# Altium PCB PCB_Final.PcbDoc (part 1 of 2)
Units mm, origin at the board's own origin, x right, y up, seen from the top; angles counter-clockwise.
Board outline 96.14 x 59.1 mm, 4 copper layers (Signal H, Power, GND, Signal L), stack 1.571 mm thick; 86 components, 49 nets, 289 pads, 467 vias.
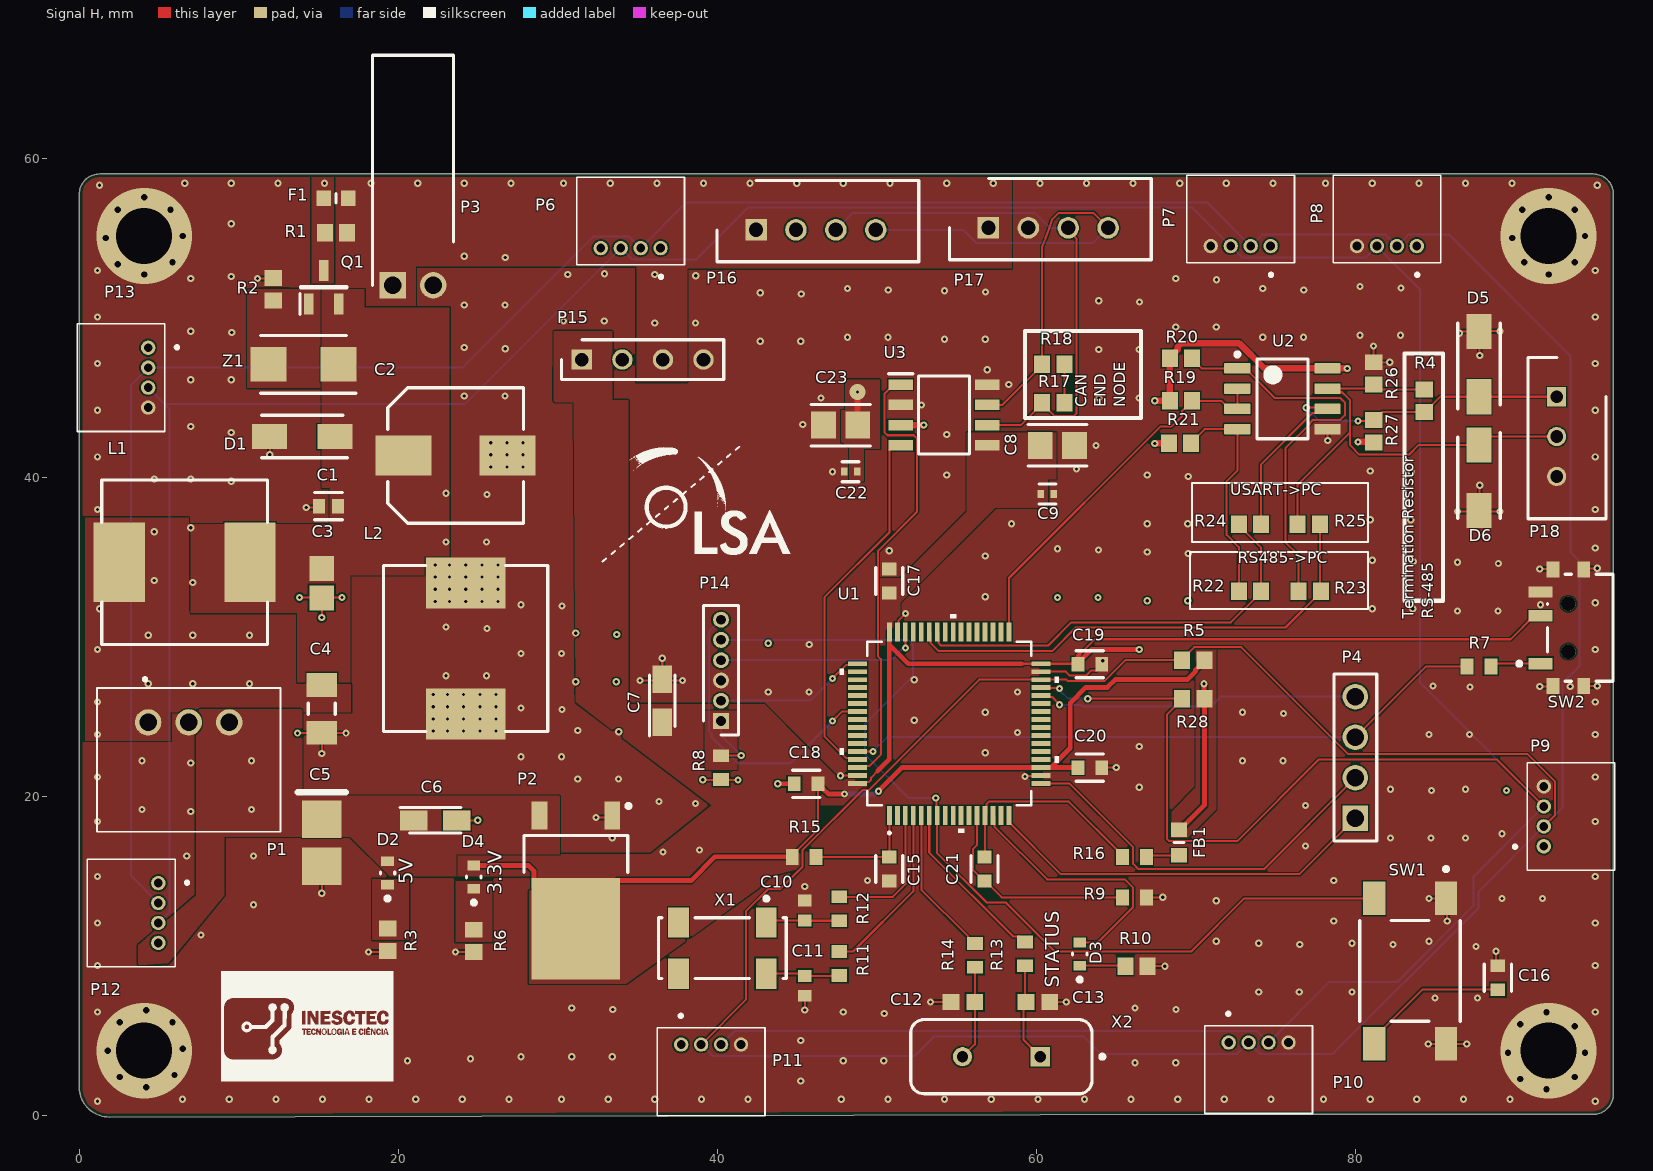
[diagram p0: Signal H view]
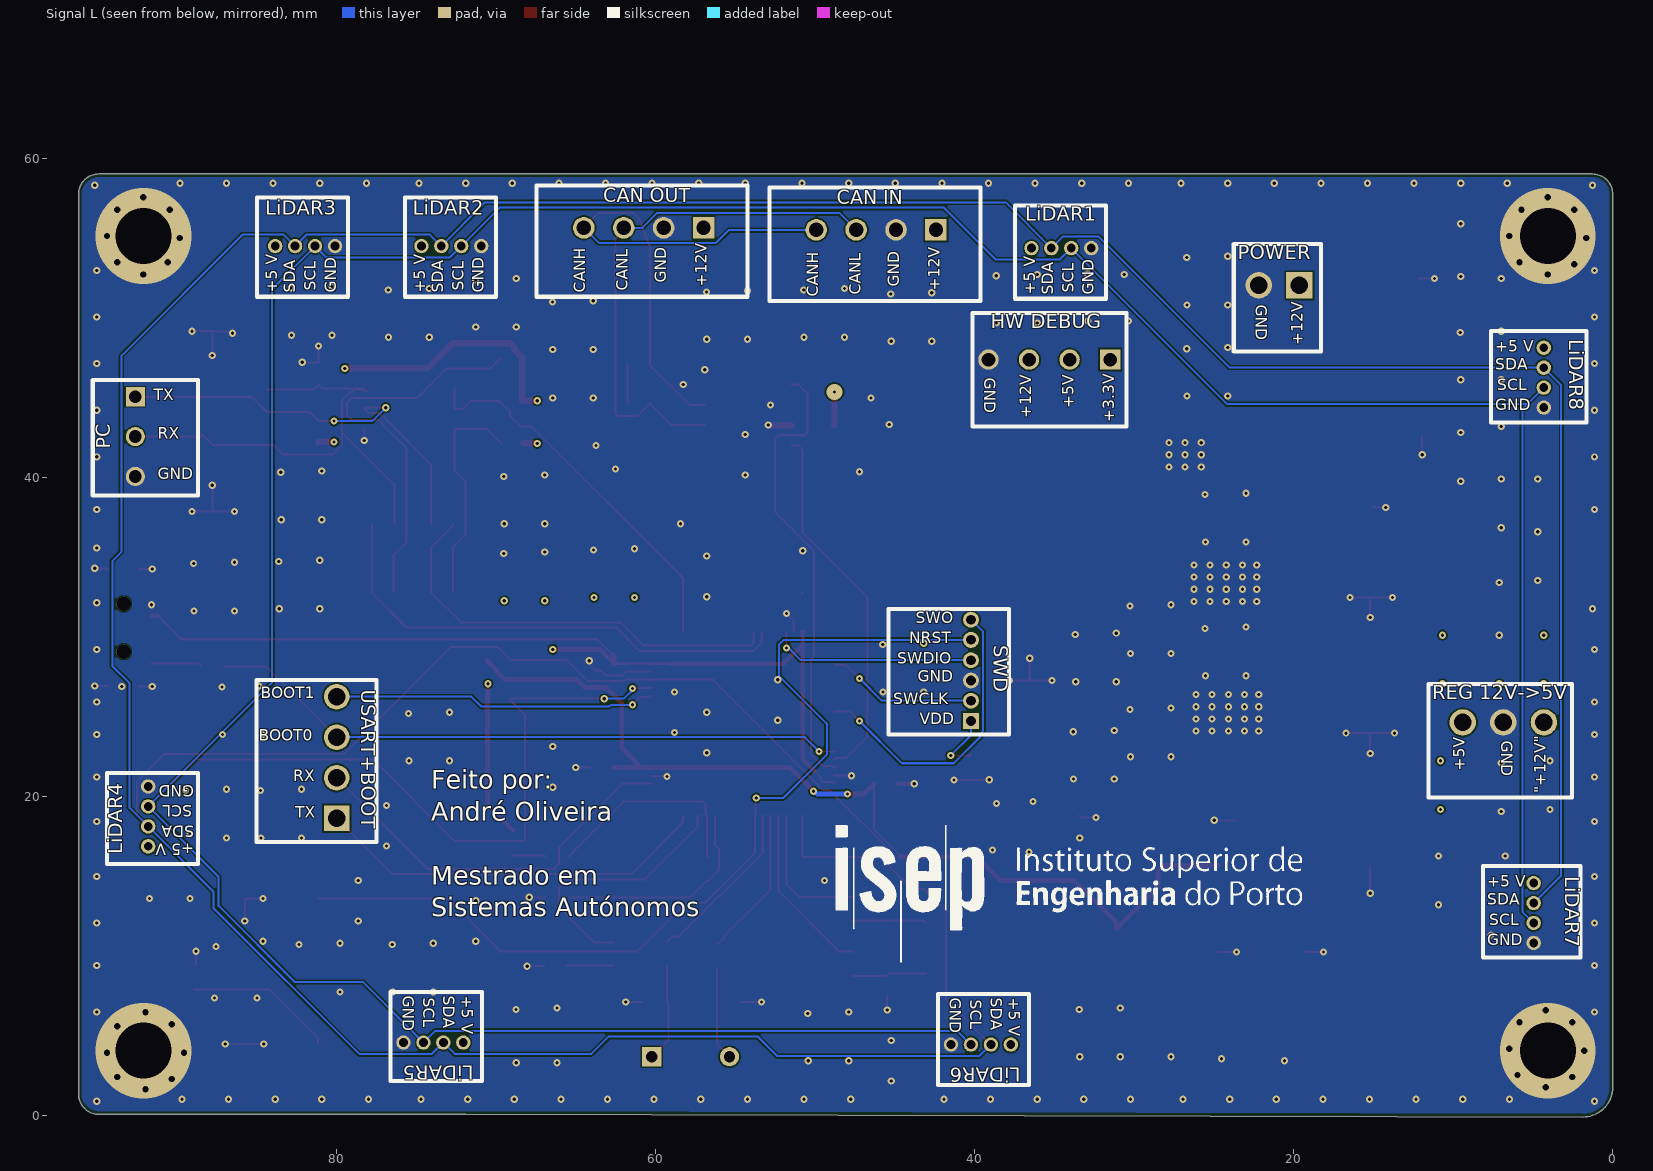
[diagram p1: Signal L view, seen from below]
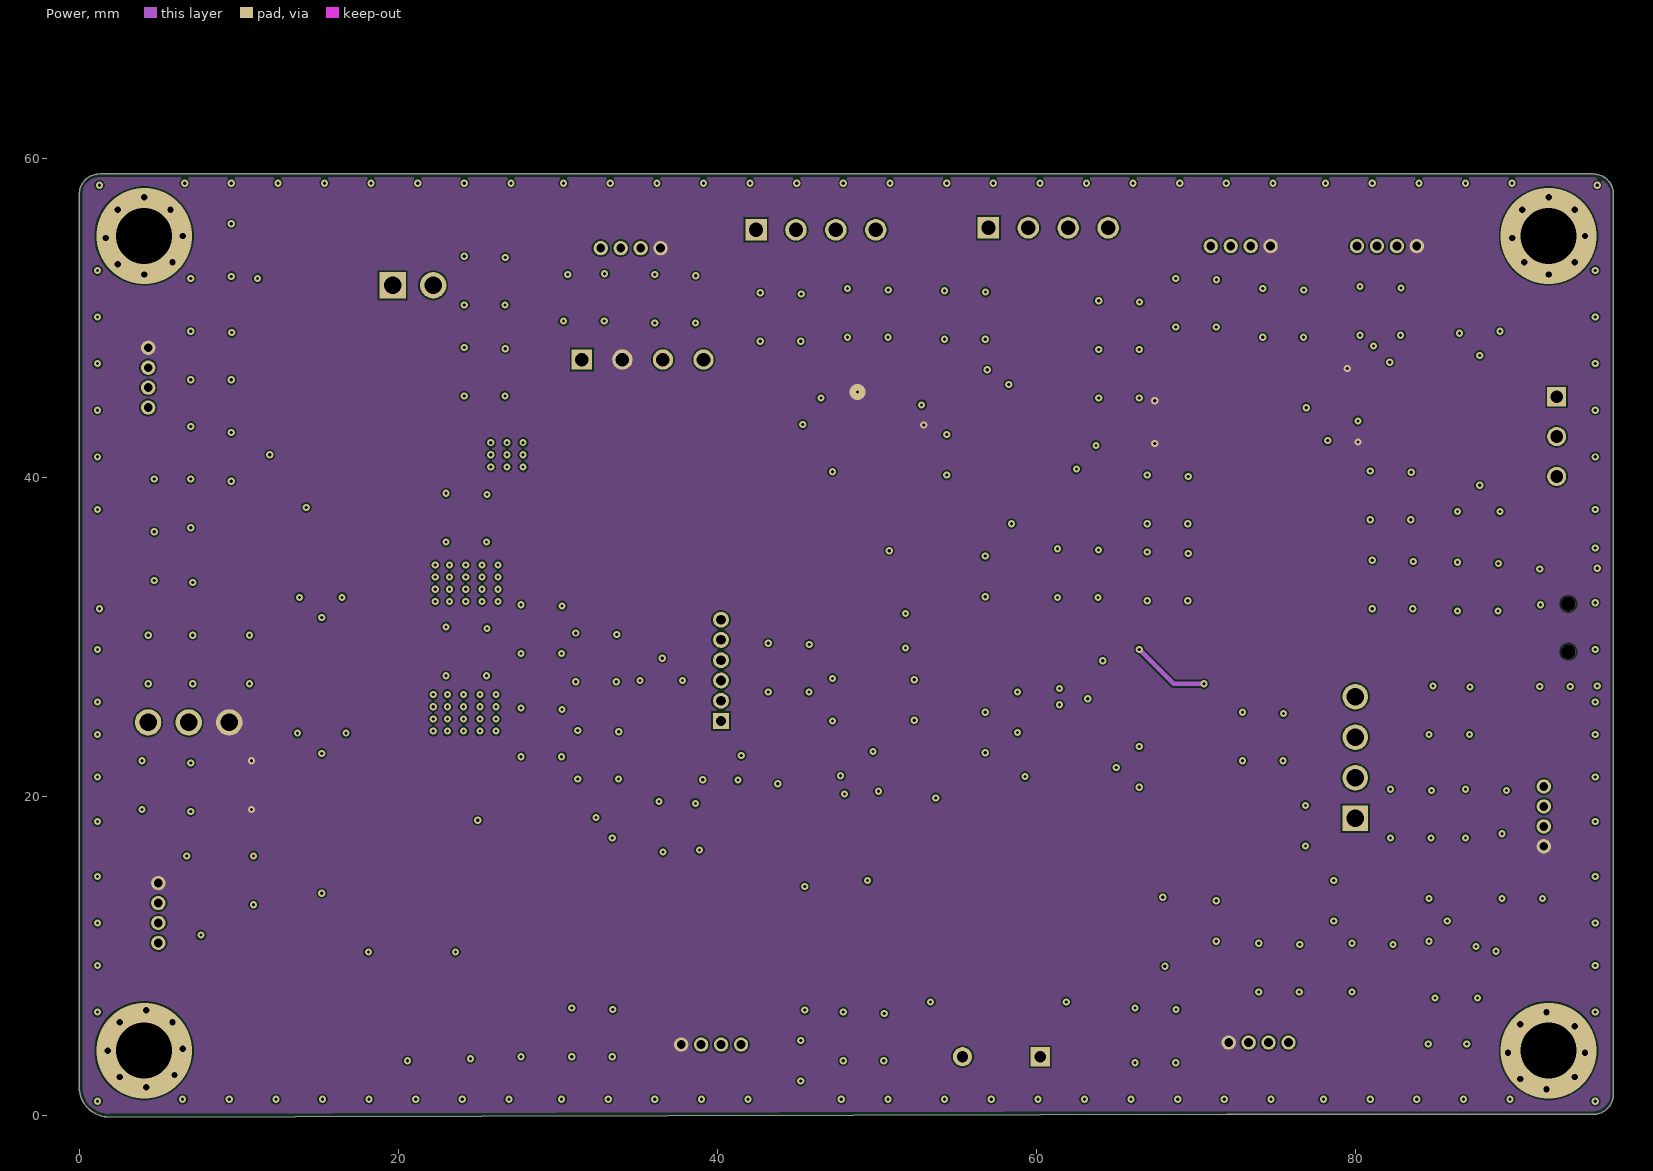
[diagram p2: Power]
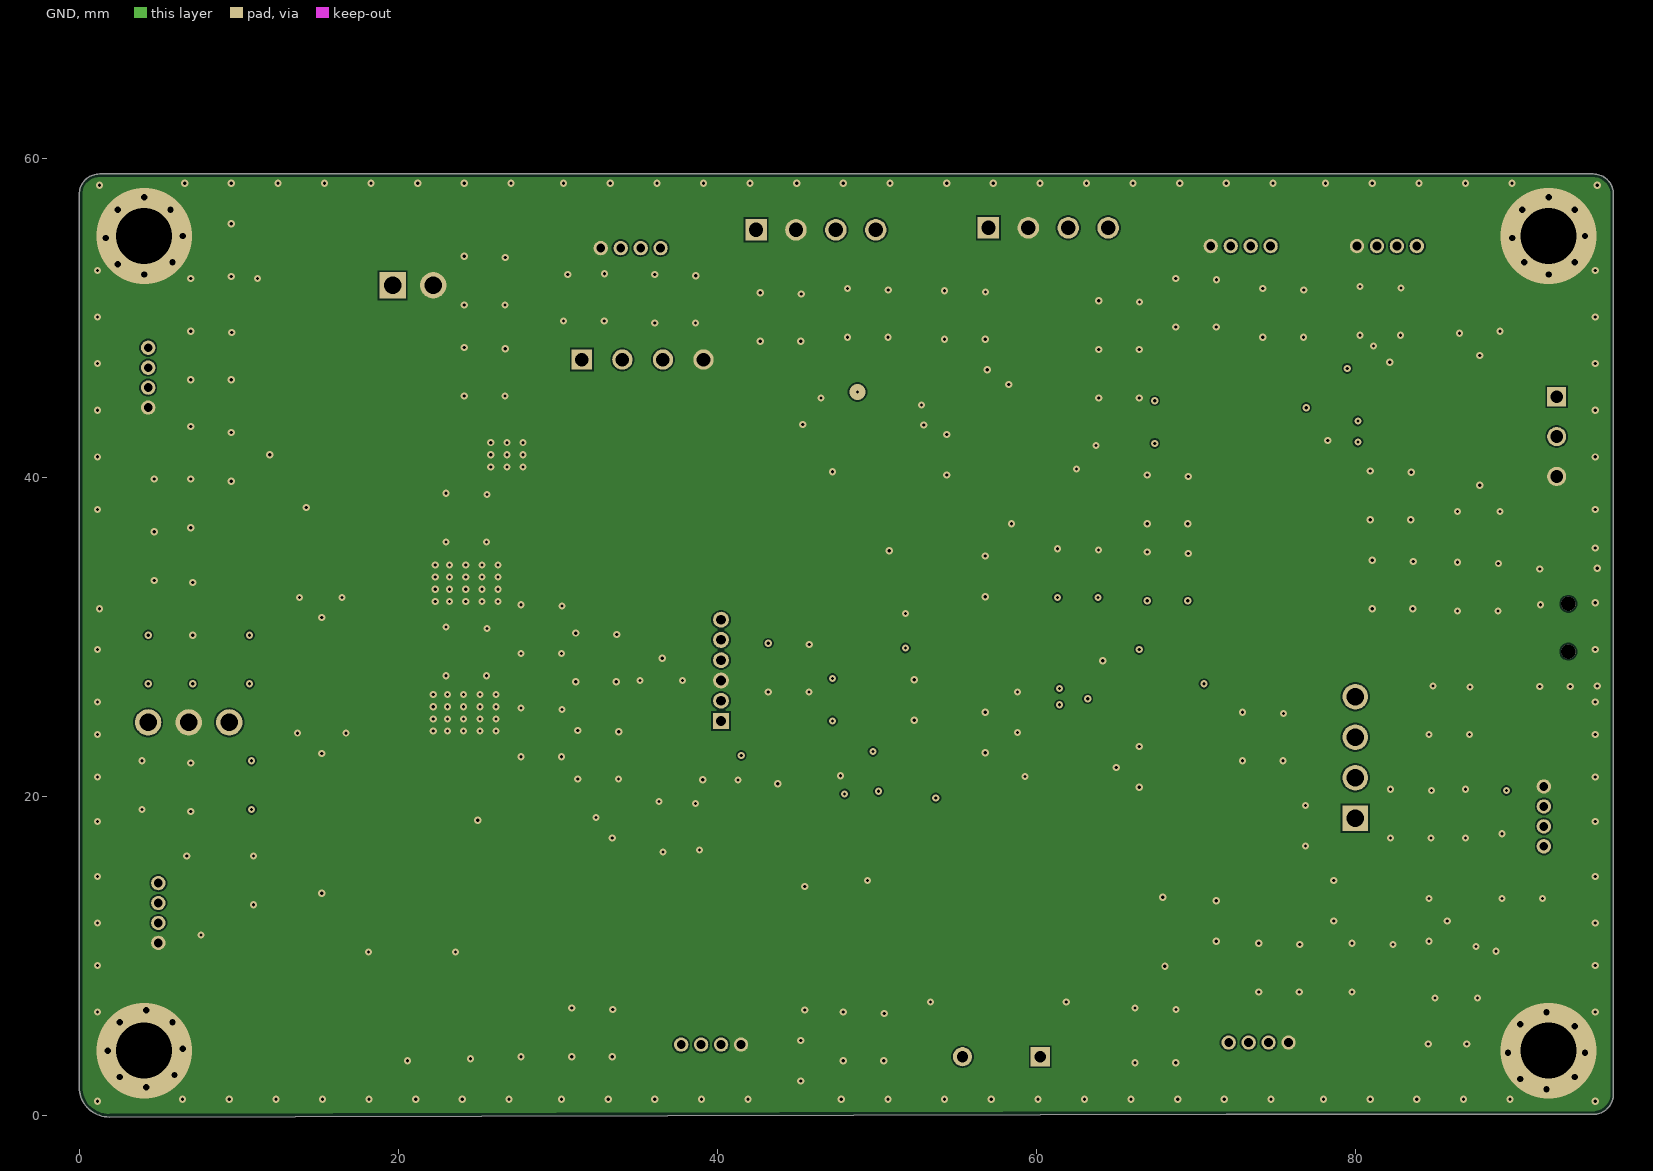
[diagram p3: GND]

## Layer stack, top to bottom
Top Solder 1: solder mask 0.0102, Solder Resist, Dk 4
Signal H: signal copper 0.0356
Dielectric 1: prepreg 0.2, PP-006, Dk 4.6
Power: signal copper 0.0175
Dielectric 2: dielectric 1.065, FR-4, Dk 4.6
GND: signal copper 0.0175
Dielectric 3: prepreg 0.2, PP-006, Dk 4.6
Signal L: signal copper 0.0356
Bottom Solder 1: solder mask 0.0102, Solder Resist, Dk 4

## Board outline
0,1.777 ccw(c1.875,1.777) 1.875,-0.098 71.882,0.073 94.869,0.073 ccw(c94.869,1.343) 96.139,1.343 96.139,57.731 ccw(c94.869,57.731) 94.869,59.001 1.27,59.001 ccw(c1.27,57.731) 0,57.731 0,56.334

## Design rules (kind name [scope] priority, off if disabled: settings)
BoardOutlineClearance [All] p1: gap=0.2 ignorepadtopadclearanceinfootprint=FALSE
Clearance "Stitching GND" [IsStitchingVia and InNet('GND') vs (IsVia and (Not IsStitchingVia)) Or IsPad] p1: gap=0.127 ignorepadtopadclearanceinfootprint=FALSE
Clearance [All] p2: gap=0.1 ignorepadtopadclearanceinfootprint=FALSE
ComponentClearance [All] p1: gap=0.102 collisioncheckmode=3 verticalgap=0.102 showdistances=TRUE
DiffPairsRouting [All] p1: maxlimit=0.102 minlimit=0.102 mostfreqgap=0.102 toplayer_minwidth=0.102 toplayer_maxwidth=1816.048 toplayer_prefwidth=0.102 midlayer1_minwidth=0.102 midlayer1_maxwidth=1816.048 midlayer1_prefwidth=0.102 midlayer2_minwidth=0.102 midlayer2_maxwidth=1816.048 midlayer2_prefwidth=0.102 bottomlayer_minwidth=0.102 bottomlayer_maxwidth=1816.048 bottomlayer_prefwidth=0.102 maxuncoupledlength=12.7
Height [All] p1: minheight=0 maxheight=1816.048 prefheight=12.7
HoleSize [All] p1: absolutevalues=TRUE maxlimit=6.3 minlimit=0.2 maxpercent=80.000 minpercent=20.000
HoleToHoleClearance [All] p1: gap=0.25 allowstackedmicrovias=FALSE
MinimumAnnularRing [All] p1: minimumring=0.076
MinimumSolderMaskSliver [All] p1: minsoldermaskwidth=0
PlaneClearance [All] p1: clearance=0.102
PlaneConnect PlaneConnectPowerPads [InPadClass('PowerPads')] p1: planeconnectstyle=Direct reliefexpansion=0.508 reliefentries=4 reliefconductorwidth=0.254 reliefairgap=0.254
PlaneConnect [All] p2: pad.planeconnectstyle=Relief pad.reliefexpansion=0.3 pad.reliefentries=4 pad.reliefconductorwidth=0.102 pad.reliefairgap=0.102 via.planeconnectstyle=Direct via.reliefexpansion=0.3 via.reliefentries=4 via.reliefconductorwidth=0.127 via.reliefairgap=0.127
PolygonConnect PolygonConnectPowerPads [All vs (InPadClass('PowerPads'))] p1: connectstyle=Direct reliefconductorwidth=0.254 reliefentries=4 polygonreliefangle="90 Angle" airgapwidth=0.254
PolygonConnect [All] p2: connectstyle=Direct reliefconductorwidth=0.102 reliefentries=4 polygonreliefangle="90 Angle" airgapwidth=0.102
RoutingVias [All] p1: holewidth=0.2 width=0.45 viastyle="Through Hole" minholewidth=0.2 minwidth=0.45 maxholewidth=6.3 maxwidth=6.55
SilkToSilkClearance [All] p1: silktosilkclearance=0
SilkToSolderMaskClearance [IsPad] p1: minsilkscreentomaskgap=0.102 clearancetoexposedcopper=TRUE
SolderMaskExpansion [All] p1: expansion=0.075 istentingtop=FALSE
UnRoutedNet [All] p1: checkbadconnections=TRUE
Width [All] p1: maxlimit=16.048 minlimit=0.102 preferedwidth=0.127 minimp=50.000000 maximp=50.000000 favimp=50.000000
19 further rules are at their usual default settings.

## Classes and differential pairs
component class Source: C1 C2 C3 C4 C5 C6 C7 D2 D4 F1 L1 L2 P1 P2 P3 Q1 R1 R2 R3 R6 Z1
component class MCU_F103RB: C10 C11 C12 C13 C15 C16 C18 C19 C20 C21 D3 FB1 P4 P14 P15 R7 R8 R9 R10 R11 R12 R13 R14 R15 R16 SW1 SW2 U1 X1 X2
component class "Communication Interfaces": C8 C9 C22 C23 D5 D6 P7 P8 P9 P10 P11 P12 P13 P16 P17 P18 R4 R5 R17 R18 R19 R20 R21 R22 R23 R24 R25 R26 R27 R28 U2 U3

## Components (designator, comment, footprint, x,y, rotation, side; value= is the part's Value field where it differs from the comment)
C1 "4.7uF" FP-C0603-CG-MFG 15.612,38.183 r180 top
C2 "330uF" NIC-CAPA2-8X10_V 23.578,41.358 r0 top
C3 "2.2 uF" CAPC2013X152X50ML20T25 15.196,33.357 r90 top
C4 "1 uF" CAPC3216X180X50ML20T25 15.196,25.483 r90 top
C5 "22uF" AVX-TAJ-B-2_M 15.196,17.101 r270 top
C6 "10uF" CAPPM3216X180N 22.308,18.498 r0 top
C7 "10uF" CAPPM3216X180N 36.532,25.991 r90 top
C8 "10uF" FP-C3216-160-0_2-IPC_C 61.297,41.993 r0 top
C9 "0.1uF" FP-GRM15-MFG 60.662,38.945 r180 top value=0.10μF
C10 "4.3pF" CAPC1608X90X35LL10T15 45.466,12.837 r90 top
C11 "4.3pF" CAPC1608X90X35LL10T15 45.466,8.128 r270 top
C12 "20 pF NA" CAPC1608X90X35NL15T15 55.372,7.112 r0 top
C13 "20 pF NA" CAPC1608X90X35NL15T15 60.071,7.112 r180 top
C15 "1 uF" FP-CC0603-DA-MFG 50.756,15.45 r270 top
C16 "100 nF" FP-CC0603-DA-MFG 88.9,8.636 r90 top
C17 "100 nF" FP-CC0603-DA-MFG 50.756,33.496 r90 top
C18 "100 nF" FP-CC0603-DA-MFG 45.549,20.784 r0 top
C19 "100 nF" FP-CC0603-DA-MFG 63.329,28.277 r180 top
C20 "100 nF" FP-CC0603-DA-MFG 63.329,21.8 r180 top
C21 "100 nF" FP-CC0603-DA-MFG 56.725,15.45 r270 top
C22 "0.1uF" FP-GRM15-MFG 48.343,40.342 r0 top value=0.10μF
C23 "10uF" FP-C3216-160-0_2-IPC_C 47.708,43.263 r180 top
D1 "SMAJ8.5A-M3_61" DIOM5127X229N 13.97,42.545 r180 top
D2 "Green" FP-6_541-5056_01-4-MFG 19.318,15.196 r90 top
D3 "Green" FP-6_541-5056_01-4-MFG 62.694,10.116 r90 top
D4 "Green" FP-6_541-5056_01-4-MFG 24.721,14.942 r90 top
D5 "SMAJ8.5A-M3_61" DIOM5127X229N 87.713,47.091 r90 top
D6 "SMAJ8.5A-M3_61" DIOM5127X229N 87.713,39.961 r270 top
F1 "SF-0603SA200M-2" FUSC1608X95N 16.085,57.487 r180 top
FB1 "BEAD" BEADC1608X95N 68.917,17.101 r270 top
L1 "1mH" 1060 6.604,34.671 r270 top
L2 "1mH" 1060 24.214,29.258 r0 top
P1 "V7805-2000" V78052000 4.318,24.638 r0 top
P2 "LM1117DT-3.3" TO228P991X238-3N 31.115,14.097 r270 top
P3 "22-12-4022" SHDRRA2W64P0X254_1X2_508X1170X580P 19.641,52.026 r0 top
P4 "Header 1" 61300411121 79.966,22.435 r90 top
P6 "53048-0410" 530480410 36.429,54.356 r0 top
P7 "53048-0410" 530480410 74.656,54.483 r0 top
P8 "53048-0410" 530480410 83.82,54.483 r0 top
P9 "53048-0410" 530480410 91.777,16.867 r270 top
P10 "53048-0410" 530480410 72.029,4.572 r180 top
P11 "53048-0410" 530480410 37.719,4.445 r180 top
P12 "53048-0410" 530480410 4.953,14.565 r90 top
P13 "53048-0410" 530480410 4.318,48.113 r90 top
P14 "SWD" HDRV6W30P0X127_1X6_762X210X430P 40.215,24.721 r90 top
P15 "22-28-4046" HDRV4W66P0X254_1X4_1016X249X838P 31.496,47.371 r0 top
P16 "22-03-5045" SHDR4W70P0X250_1X4_1240X490X610P 42.411,55.499 r180 top
P17 "22-03-5045" SHDR4W70P0X250_1X4_1240X490X610P 56.976,55.626 r180 top
P18 "22-03-5035" SHDR3W60P0X250_1X3_990X490X590P 92.583,45.045 r90 top
Q1 "SI2301BDS-T1-BE3" SOT95P237X112-3N 15.323,51.899 r90 top
R1 "NA" RESC1608X55X30ML20T20 16.085,55.328 r0 top
R2 "10k" RESC1608X55X30ML20T20 12.148,51.772 r90 top
R3 "220" RESC1608X55X30ML20T20 19.318,11.005 r90 top
R4 "100" RESC1608X55X30ML20T20 84.284,44.787 r270 top
R5 "10k" RESC1608X55X30ML20T20 69.806,28.531 r0 top
R6 "100" RESC1608X55X30ML20T20 24.721,10.94 r90 top
R7 "10k" RESC1608X55X25ML10T15 87.713,28.15 r180 top
R8 "10k" RESC1608X55X25ML10T15 40.215,21.8 r90 top
R9 "0" RESC1608X55X25ML10T15 66.123,13.672 r180 top
R10 "100" RESC1608X55X30ML20T20 66.25,9.354 r180 top
R11 "0" RESC1608X55X25ML10T15 47.625,9.525 r270 top
R12 "0" RESC1608X55X25ML10T15 47.625,12.954 r270 top
R13 "NA" RESC1608X55X25ML10T15 59.265,10.128 r90 top
R14 "NA" RESC1608X55X25ML10T15 56.134,10.033 r90 top
R15 "0" RESC1608X55X25ML10T15 45.422,16.212 r0 top
R16 "0" RESC1608X55X25ML10T15 66.123,16.212 r180 top
R17 "120" RESC1608X55X30ML20T20 61.043,44.66 r180 top
R18 "NA" RESC1608X55X30ML20T20 61.043,47.073 r0 top
R19 "10k" RESC1608X55X30ML20T20 69.044,44.787 r180 top
R20 "10k" RESC1608X55X30ML20T20 69.044,47.454 r180 top
R21 "10k" RESC1608X55X30ML20T20 68.979,42.12 r180 top
R22 "0" RESC1608X55X30ML20T20 73.362,32.849 r0 top
R23 "0" RESC1608X55X30ML20T20 77.11,32.849 r0 top
R24 "NA" RESC1608X55X30ML20T20 73.362,37.04 r180 top
R25 "NA" RESC1608X55X30ML20T20 77.045,37.04 r0 top
R26 "20k" RESC1608X55X30ML20T20 81.109,46.503 r90 top
R27 "20k" RESC1608X55X30ML20T20 81.109,42.882 r90 top
R28 "10k" RESC1608X55X30ML20T20 69.806,26.118 r0 top
SW1 "TD-0341" FP-1571563-9-MFG 83.395,9.061 r270 top
SW2 "PCM12SMTR" FP-PCM12SMTR-MFG 94.063,30.563 r90 top
U1 "STM32F103RBT6" LQFP64-10x10mm 54.514,24.559 r90 top
U2 "SN75176AD" D0008A_M 75.394,44.914 r0 top
U3 "TJA1051T_3" SOIC127P600X175-8N 54.185,43.898 r0 top
X1 "ABS25-32.768KHZ-6-T" ABRA-ABS25-4_V 40.303,10.49 r180 top
X2 "8MHz(16pF) NA" FOX-FOXSLF160-20 57.785,3.683 r180 top
Z1 "1SMB5921BT3G" DIOM5436X247N 14.053,47.073 r180 top

## Footprints (in the part's own frame and the unit in brackets; to place one, negate y for a bottom-side part, rotate by r counter-clockwise, add the part's x,y. Pads: shape width x height; smd on the part's side, far side on the other; paste and mask are expansions set on the pad)
1060 [mm] "Precision Wire Wound Inductor, 2-Leads, Body 10.0x10.0mm, IPC Medium Density"
  rect 5x3.2 smd: 1(0,4.1) 2(0,-4.1)
  silkscreen extent -5.15,-5.2 5.15,5.2, body extent -6,-6 6,6, height 5.65
530480410 [mm]
  round 0.9 hole 0.55: 1(0,0) 2(-1.25,0) 3(-2.5,0) 4(-3.75,0)
  silkscreen extent -5.25,-1.9 1.5,4.45, body extent -5.23,-1.07 1.52,4.43, height 3.4
61300411121 [mm] "Pin Header, pitch 2.54 mm, THT, Vertical, single row, 4p"
  rect 1.6x1.6 hole 1.1: 1(-3.81,0)
  round 1.6 hole 1.1: 2(-1.27,0) 3(1.27,0) 4(3.81,0)
  silkscreen extent -5.23,-1.34 5.23,1.34, body extent -5.08,-1.27 5.08,1.27, height 8.57
ABRA-ABS25-4_V [mm] "SMD, 4-Leads, Body 8x3.8mm, Pitch 5.5mm, Height 2.5mm"
  rect 1.3x1.9 smd: 1(-2.75,-1.6) 2(2.75,-1.6) 3(2.75,1.6) 4(-2.75,1.6)
  silkscreen extent -4,-3.22 4,1.9, body extent -4,-2 4,2, height 2.66
AVX-TAJ-B-2_M [mm] "Molded Capacitor, 2-Leads, Body 3.7x3mm, IPC Low Density"
  rect 2.35x2.45 smd: 1(-1.475,0) 2(1.475,0)
  silkscreen extent -3.15,-1.5 -3.15,1.5, body extent -2.07,-1.5 2.07,1.5, height 2.1
BEADC1608X95N [mm]
  rect 0.9x1 smd: 1(-0.8,0) 2(0.8,0)
  silkscreen extent 0,-0.3 0,0.3, body extent -0.8,-0.4 0.8,0.4, height 0.95
CAPC1608X90X35LL10T15 [mm] "Chip Capacitor, 2-Leads, Body 1.60x0.80mm, IPC High Density"
  rect 0.75x0.85 smd: 1(-0.625,0) 2(0.625,0)
  body extent -0.85,-0.45 0.85,0.45, height 0.9
CAPC1608X90X35NL15T15 [mm] "Chip Capacitor, 2-Leads, Body 1.60x0.81mm, IPC Medium Density"
  rect 1.05x1 smd: 1(-0.75,0) 2(0.75,0)
  body extent -0.88,-0.48 0.87,0.48, height 0.9
CAPC2013X152X50ML20T25 [mm] "Chip Capacitor, 2-Leads, Body 2.01x1.25mm, IPC Low Density"
  rect 1.55x1.55 smd: 1(-0.925,0) 2(0.925,0)
  body extent -1.1,-0.72 1.11,0.72, height 1.52
CAPC3216X180X50ML20T25 [mm] "Chip Capacitor, 2-Leads, Body 3.40x1.80mm, IPC Low Density"
  rect 1.5x1.9 smd: 1(-1.5,0) 2(1.5,0)
  silkscreen extent -0.35,-0.85 0.35,0.85, body extent -1.7,-0.9 1.7,0.9, height 1.8
CAPPM3216X180N [mm]
  rect 1.7x1.25 smd: 1(-1.35,0) 2(1.35,0)
  silkscreen extent -2.2,-0.8 1.6,0.8, body extent -1.6,-0.8 1.6,0.8, height 1.8
D0008A_M [mm] "SOIC, 8-Leads, Body 5x4mm, Pitch 1.27mm, IPC Low Density"
  rrect15% 1.65x0.65 smd: 1(-2.825,1.905) 2(-2.825,0.635) 3(-2.825,-0.635) 4(-2.825,-1.905) 5(2.825,-1.905) 6(2.825,-0.635) 7(2.825,0.635) 8(2.825,1.905)
  silkscreen extent -2.95,-2.5 1.6,2.9, body extent -3,-2.45 3,2.45, height 1.63
DIOM5127X229N [mm]
  rect 2.2x1.55 smd: 1(-2.05,0) 2(2.05,0)
  silkscreen extent -2.82,-1.33 2.55,1.33, body extent -2.55,-1.33 2.55,1.33, height 2.29
DIOM5436X247N [mm]
  rect 2.25x2.15 smd: 1(-2.2,0) 2(2.2,0)
  silkscreen extent -3.28,-1.81 2.7,1.81, body extent -2.7,-1.81 2.7,1.81, height 2.47
FOX-FOXSLF160-20 [mm] "THD, 2-Leads, Body 11.35x4.65mm"
  rect 1.2x1.2 hole 0.7: 1(-2.44,0)
  round 1.2 hole 0.7: 2(2.44,0)
  silkscreen extent -6.45,-2.33 5.68,2.33, body extent -5.67,-2.32 5.68,2.33, height 3.6
FP-6_541-5056_01-4-MFG [mm]
  rect 0.6x0.8 smd paste+0 mask+0: 1(-0.725,0) 2(0.725,0)
  silkscreen extent -1.72,-0.45 0.05,0.45, body extent -1.12,-0.55 1.12,0.55, height 0.25
FP-1571563-9-MFG [mm]
  rect 2.1x1.4 smd paste+0 mask+0: 1(-4.55,2.25) 2(4.55,2.25) 3(-4.55,-2.25) 4(4.55,-2.25)
  silkscreen extent -6.5,-3.15 3.15,3.15, body extent -5.7,-3.25 5.7,3.25, height 0.25
FP-C0603-CG-MFG [mm]
  rect 0.75x0.9 smd paste+0 mask+0: 1(-0.6,0) 2(0.6,0)
  silkscreen extent -0.87,-0.85 0.87,0.85, body extent -1.2,-0.6 1.2,0.6, height 0.25
FP-C3216-160-0_2-IPC_C [mm]
  rect 1.554x1.706 smd paste+0 mask+0: 1(-1.076,0) 2(1.076,0)
  silkscreen extent -1.85,-1.3 1.85,1.3, body extent -1.95,-1 1.95,1, height 0.25
FP-CC0603-DA-MFG [mm]
  rect 0.8x0.9 smd paste+0 mask+0: 1(-0.75,0) 2(0.75,0)
  silkscreen extent -0.85,-0.85 0.85,0.85, body extent -1.35,-0.75 1.35,0.75, height 0.25
FP-GRM15-MFG [mm]
  rect 0.4x0.5 smd paste+0 mask+0: 1(-0.4,0) 2(0.4,0)
  silkscreen extent -0.53,-0.62 0.53,0.62, body extent -0.7,-0.38 0.7,0.38, height 0.25
FP-PCM12SMTR-MFG [mm]